# Altium PCB STM32_MINI.PcbDoc
Units mil, origin at the board's own origin, x right, y up, seen from the top; angles counter-clockwise.
Board outline 2519.69 x 1417.32 mil, 2 copper layers (Top Layer, Bottom Layer); 40 components, 49 nets, 199 pads, 89 vias.
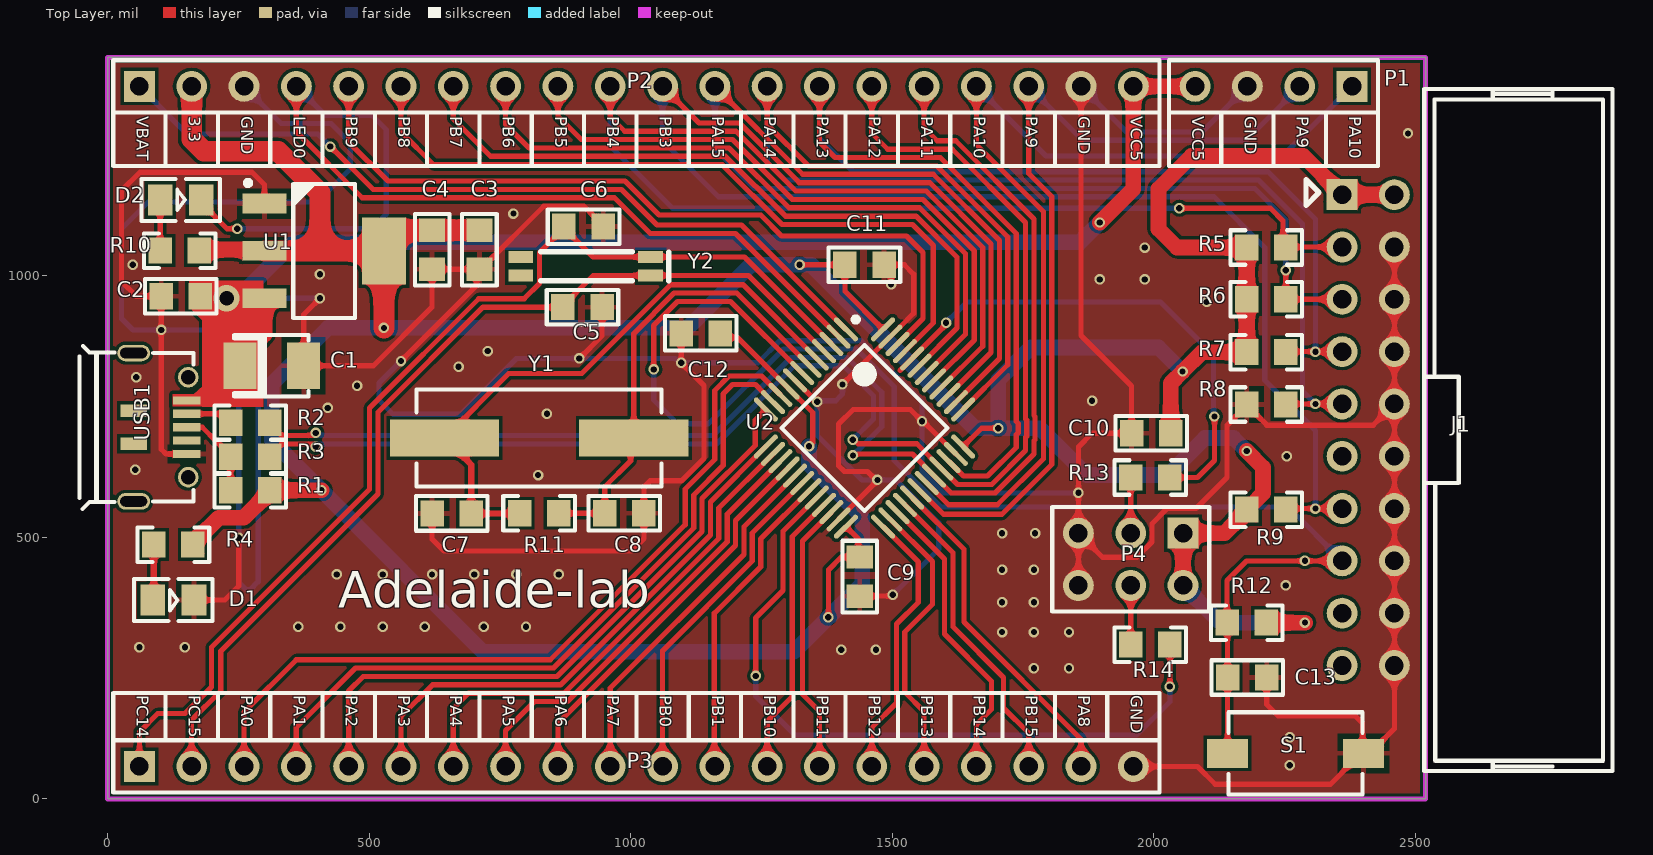
[diagram p0: Top Layer view]
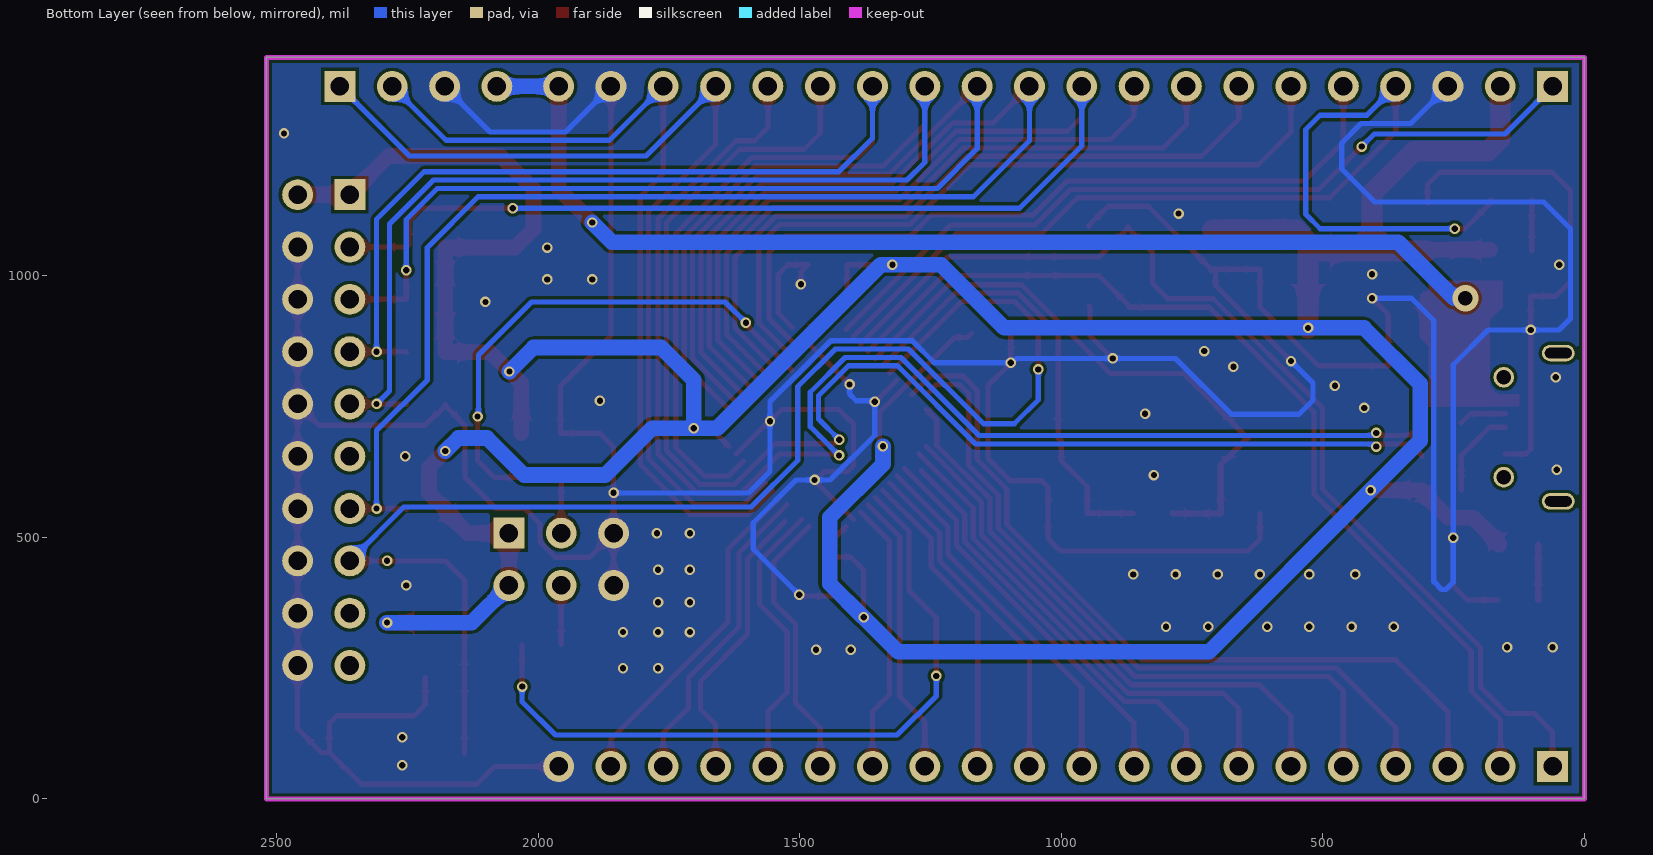
[diagram p1: Bottom Layer view, seen from below]
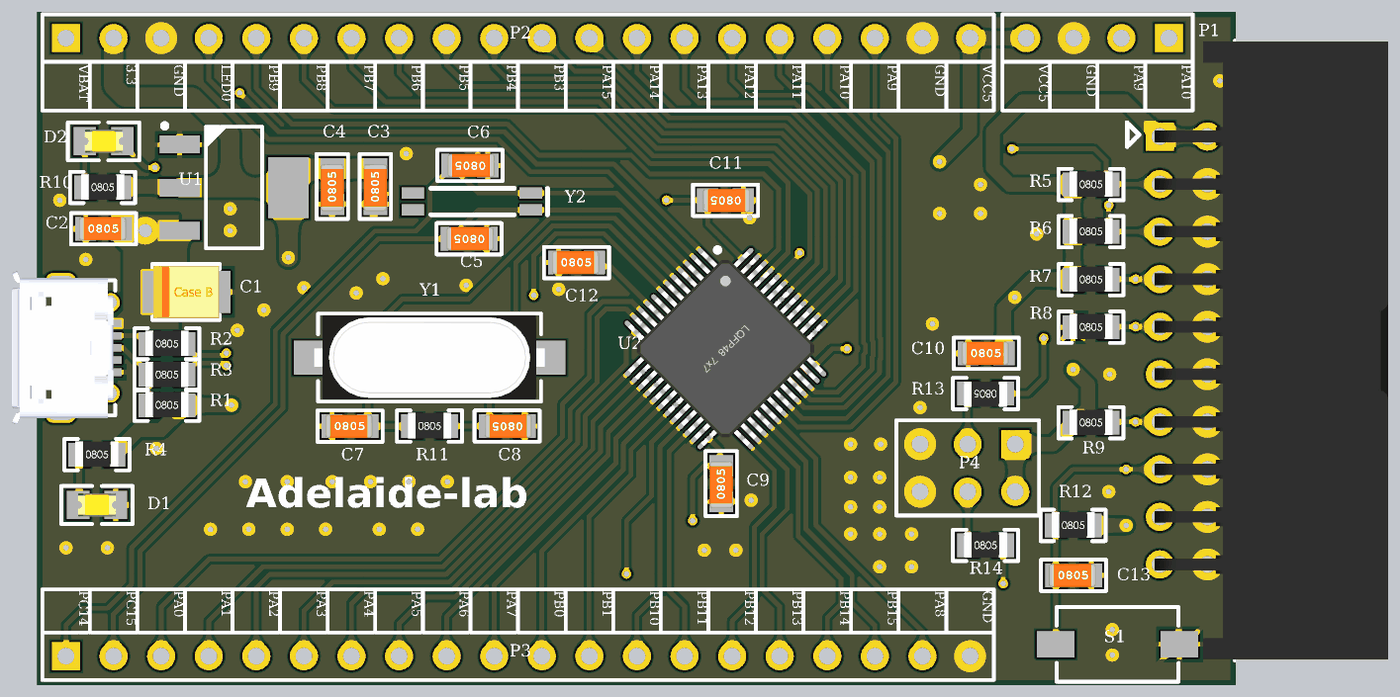
[diagram p2: 3D render of the assembled board from above, using the file's embedded part models]

## Layer stack, top to bottom
Top Solder: solder mask 0.4, Solder Resist, Dk 3.5
Top Layer: signal copper 1.4
Dielectric 1: dielectric 12.6, FR-4, Dk 4.8
Bottom Layer: signal copper 1.4
Bottom Solder: solder mask 0.4, Solder Resist, Dk 3.5

## Board outline
0,0 2519.69,0 2519.69,1417.32 0,1417.32

## Design rules (kind name [scope] priority, off if disabled: settings)
Clearance [All] p1: gap=6 ignorepadtopadclearanceinfootprint=FALSE
DiffPairsRouting [All] p1: maxlimit=15 minlimit=6 mostfreqgap=6 toplayer_minwidth=6 toplayer_maxwidth=15 toplayer_prefwidth=8 bottomlayer_minwidth=6 bottomlayer_maxwidth=15 bottomlayer_prefwidth=8 maxuncoupledlength=500
HoleSize [All] p1: absolutevalues=TRUE maxlimit=1000 minlimit=1 maxpercent=80.000 minpercent=20.000
MinimumSolderMaskSliver [All] p1: minsoldermaskwidth=6
PlaneClearance [All] p1: clearance=6
PolygonConnect [All] p1: thpad.connectstyle=Direct thpad.reliefconductorwidth=10 thpad.reliefentries=4 thpad.polygonreliefangle="90 Angle" thpad.airgapwidth=10 smdpad.connectstyle=Relief smdpad.reliefconductorwidth=10 smdpad.reliefentries=4 smdpad.polygonreliefangle="90 Angle" smdpad.airgapwidth=10 via.connectstyle=Direct via.reliefconductorwidth=10 via.reliefentries=4 via.polygonreliefangle="90 Angle" via.airgapwidth=10
RoutingVias [All] p1: holewidth=12 width=20 viastyle="Through Hole" minholewidth=12 minwidth=20 maxholewidth=12 maxwidth=20
SilkToSilkClearance [All] p1: silktosilkclearance=0
SilkToSolderMaskClearance [IsPad] p1: minsilkscreentomaskgap=0 clearancetoexposedcopper=TRUE
SolderMaskExpansion [All] p1: expansion=4 istentingtop=FALSE
Width Width_POWER [InNetClass('POWER')] p1: maxlimit=50 minlimit=8 preferedwidth=12
Width [All] p2: maxlimit=50 minlimit=6 preferedwidth=8
24 further rules are at their usual default settings.

## Classes and differential pairs
net class POWER: GND VCC3.3 VCC5
differential pair USB: +PA12 -PA11

## Components (designator, comment, footprint, x,y, rotation, side; value= is the part's Value field where it differs from the comment)
C1 "220uF" TAJ-B 314,828 r180 top value=100pF
C2 "104" C0805 140,961 r0 top value=100pF
C3 "106" C0805 711,1049.97 r90 top value=100pF
C4 "104" C0805 620.5,1049.97 r90 top value=100pF
C5 "22pF" C0805 908,940 r180 top value=100pF
C6 "22pF" C0805 910,1094 r180 top value=100pF
C7 "22pF" C0805 657.9,545.66 r0 top value=100pF
C8 "22pF" C0805 988.03,546 r180 top value=100pF
C9 "104" C0805 1438,425 r90 top value=100pF
C10 "104" C0805 1995,699 r0 top value=100pF
C11 "104" C0805 1447,1021 r180 top value=100pF
C12 "104" C0805 1134,889.89 r0 top value=100pF
C13 "104" C0805 2178.48,232 r0 top value=100pF
D1 "LED0" LED0805 126,380 r180 top
D2 "LED0" LED0805 140,1145 r180 top
J1 "JTAG" DC3-20P-W 2410,705 r270 top locked
P1 "Header 4" HDR1X4 2379,1362 r180 top locked
P2 "Header 20" HDR1X20 61,1362 r0 top locked
P3 "Header 20" HDR1X20 61,62 r0 top locked
P4 "Header 3X2" HDR2X3 2056,508 r180 top
R1 "22R" R0805 273,591 r0 top value=1K
R2 "22R" R0805 273,720 r0 top value=1K
R3 "22R" R0805 273,655 r0 top value=1K
R4 "1K" R0805 126,487 r0 top
R5 "10K" R0805 2215,1055 r0 top value=1K
R6 "10K" R0805 2215,956 r0 top value=1K
R7 "10K" R0805 2215,855 r0 top value=1K
R8 "10K" R0805 2215,755 r0 top value=1K
R9 "10K" R0805 2215,554 r0 top value=1K
R10 "1K" R0805 138,1049 r0 top
R11 "1M" R0805 825,547 r0 top value=1K
R12 "10K" R0805 2177.6,338 r0 top value=1K
R13 "10K" R0805 1993.4,613.4 r180 top value=1K
R14 "10K" R0805 1993.4,296 r0 top value=1K
S1 "KEY" DSW-KFC-022S-H2.5 2271,87 r0 top
U1 "AMS1117-3.3" SOT-223 414.17,1047.55 r0 top locked
U2 "STM32F103C8T6" LQFP48_L 1447,709 r315 top
USB1 "USB-5" USB-MicroUSB 151.38,710.5 r90 top locked
Y1 "8MHz" 49SMD 825,690 r0 top
Y2 "32.768KHz" MC146 1038.03,1000.57 r180 top

## Footprints (in the part's own frame and the unit in brackets; to place one, negate y for a bottom-side part, rotate by r counter-clockwise, add the part's x,y. Pads: shape width x height; smd on the part's side, far side on the other; paste and mask are expansions set on the pad)
49SMD [mm]
  rect 5.3x1.8 smd: 1(-4.6,0) 2(4.6,0)
  silkscreen extent -5.95,-2.35 5.95,2.35, body extent -6.15,-2.25 6.15,2.25, height 5.18
C0805 [mm] "Chip Capacitor, Body 2.0x1.3mm, IPC High Density"
  rect 1.14x1.27 smd: 1(-0.95,0) 2(0.95,0)
  silkscreen extent -1.74,-0.84 1.74,0.84, body extent -1.32,-0.62 1.19,0.62, height 0.77
DC3-20P-W [mm]
  rect 1.5x1.5 hole 0.9: 1(-11.43,-1.27)
  round 1.5 hole 0.9: 2(-11.43,1.27) 3(-8.89,-1.27) 4(-8.89,1.27) 5(-6.35,-1.27) 6(-6.35,1.27) 7(-3.81,-1.27) 8(-3.81,1.27) 9(-1.27,-1.27) 10(-1.27,1.27) 11(1.27,-1.27) 12(1.27,1.27) 13(3.81,-1.27) 14(3.81,1.27) 15(6.35,-1.27) 16(6.35,1.27) 17(8.89,-1.27) 18(8.89,1.27) 19(11.43,-1.27) 20(11.43,1.27)
  silkscreen extent -16.56,-3.02 16.56,11.86, body extent -16.51,-1.55 16.51,10.9, height 9.17
DSW-KFC-022S-H2.5 [mm]
  rect 2x1.4 smd: 1(-3.3,0) 2(3.3,0)
  silkscreen extent -3.25,-2 3.25,2, body extent -4.07,-1.8 3.93,1.8, height 2.5
HDR1X4 [mm] "Connector; Header; 4 Position"
  rect 1.5x1.5 hole 0.9: 1(0,0)
  round 1.5 hole 0.9: 2(2.54,0) 3(5.08,0) 4(7.62,0)
  silkscreen extent -1.27,-1.27 8.89,1.27
HDR1X20 [mm] "Connector; Header; 20 Position"
  rect 1.5x1.5 hole 0.9: 1(0,0)
  round 1.5 hole 0.9: 2(2.54,0) 3(5.08,0) 4(7.62,0) 5(10.16,0) 6(12.7,0) 7(15.24,0) 8(17.78,0) 9(20.32,0) 10(22.86,0) 11(25.4,0) 12(27.94,0) 13(30.48,0) 14(33.02,0) 15(35.56,0) 16(38.1,0) 17(40.64,0) 18(43.18,0) 19(45.72,0) 20(48.26,0)
  silkscreen extent -1.27,-1.27 49.53,1.27
HDR2X3 [mm] "Connector; Header; 3x2 Position"
  rect 1.5x1.5 hole 0.9: 1(0,0)
  round 1.5 hole 0.9: 2(0,2.54) 3(2.54,0) 4(2.54,2.54) 5(5.08,0) 6(5.08,2.54)
  silkscreen extent -1.27,-1.27 6.35,3.81
LED0805 [mm]
  rect 1.2x1.5 smd: 1(1,0) 2(-1,0)
  silkscreen extent -1.9,-1.02 1.91,1.02, body extent -1.01,-0.63 1.01,0.62, height 1.1
LQFP48_L [mm] "Thin QFP, 48-Leads, Body 7x7mm, Pitch 0.5mm, IPC High Density"
  oval 1.55x0.25 smd: 1(-4.025,2.75) 2(-4.025,2.25) 3(-4.025,1.75) 4(-4.025,1.25) 5(-4.025,0.75) 6(-4.025,0.25) 7(-4.025,-0.25) 8(-4.025,-0.75) 9(-4.025,-1.25) 10(-4.025,-1.75) 11(-4.025,-2.25) 12(-4.025,-2.75) 25(4.025,-2.75) 26(4.025,-2.25) 27(4.025,-1.75) 28(4.025,-1.25) 29(4.025,-0.75) 30(4.025,-0.25) 31(4.025,0.25) 32(4.025,0.75) 33(4.025,1.25) 34(4.025,1.75) 35(4.025,2.25) 36(4.025,2.75)
  oval 0.25x1.55 smd: 13(-2.75,-4.025) 14(-2.25,-4.025) 15(-1.75,-4.025) 16(-1.25,-4.025) 17(-0.75,-4.025) 18(-0.25,-4.025) 19(0.25,-4.025) 20(0.75,-4.025) 21(1.25,-4.025) 22(1.75,-4.025) 23(2.25,-4.025) 24(2.75,-4.025) 37(2.75,4.025) 38(2.25,4.025) 39(1.75,4.025) 40(1.25,4.025) 41(0.75,4.025) 42(0.25,4.025) 43(-0.25,4.025) 44(-0.75,4.025) 45(-1.25,4.025) 46(-1.75,4.025) 47(-2.25,4.025) 48(-2.75,4.025)
  silkscreen extent -4.15,-2.85 2.85,3.55, body extent -4.5,-4.5 4.5,4.5, height 1.45
MC146 [mm]
  rect 1.2x0.6 smd: 1(0,0) 2(0,-0.9) ""(6.3,-0.9) ""(6.3,0)
  silkscreen extent -0.89,-1.15 5.33,0.25
R0805 [mm] "Chip Resistor, Body 1.6x0.8mm, IPC High Density"
  rect 1.14x1.27 smd: 1(-0.95,-0.025) 2(0.95,-0.025)
  silkscreen extent -1.74,-0.86 1.74,0.81, body extent -1.15,-0.67 1.15,0.68, height 0.76
SOT-223 [mm]
  rect 2.15x0.95 smd: 1(-2.9,2.3) 2(-2.9,0) 3(-2.9,-2.3)
  rect 2.15x3.25 smd: 2(2.9,0)
  silkscreen extent -3.82,-3.25 1.5,3.42
TAJ-B [mm] "钽电容"
  rect 1.6x2.25 smd: 1(1.55,0) 2(-1.55,0)
  silkscreen extent -1.78,-1.5 1.82,1.5, body extent -1.75,-1.4 1.75,1.4, height 1.9
USB-MicroUSB [mm] "MicroUSB"
  rect 0.4x1.35 smd: 1(1.3,0) 2(0.65,0) 3(0,0) 4(-0.65,0) 5(-1.3,0)
  rect 0.6x1.3 smd: 6(-0.8,2.575) 7(0.8,2.575)
  oval 0.8x1.6 hole 0.5 slot 1.3 at 90 deg: ""(-3.6,2.575) ""(3.6,2.575)
  round 1 hole 0.7: ""(-2.425,-0.075) ""(2.425,-0.075)
  silkscreen extent -3.96,-0.33 3.95,5.21, body extent -4.1,-0.24 4.1,5.19, height 2.68

## Part data
C1: library part "Cap Pol2", "Cap Pol2", LatestRevisionDate=17-Jul-2002, LatestRevisionNote="Re-released for DXP Platform.", PackageDescription="Polarized Capacitor; 2 Leads", PackageReference=POLAR0.8, Published=8-Jun-2000, Publisher="Altium Limited"
C2 C3 C4 C5 C6 C7 C8 C9 C10 C11 C12 C13: library part C, "Capacitor", LatestRevisionDate=17-Jul-2002, LatestRevisionNote="Re-released for DXP Platform.", PackageDescription="Radial Cap, Thru-Hole; 2 Leads; 0.3 in Pin Spacing", PackageReference=RAD-0.3, Published=8-Jun-2000, Publisher="Altium Limited"
D1 D2: "Typical INFRARED GaAs LED", LatestRevisionDate=08-Jul-2005, LatestRevisionNote="Mech Layer 1 removed.", PackageDescription="LED; 2 Leads", PackageReference=LED-0, Published=8-Jun-2000, Publisher="Altium Limited"
P1: "Header, 4-Pin", LatestRevisionDate=17-Jul-2002, LatestRevisionNote="Re-released for DXP Platform.", Publisher="Altium Limited"
P2 P3: "Header, 20-Pin", LatestRevisionDate=17-Jul-2002, LatestRevisionNote="Re-released for DXP Platform.", Publisher="Altium Limited"
P4: "Header, 3-Pin, Dual row", LatestRevisionDate=17-Jul-2002, LatestRevisionNote="Re-released for DXP Platform.", Publisher="Altium Limited"
R1 R2 R3 R4 R5 R6 R7 R8 R9 R10 R11 R12 R13 R14: library part R, "Resistor", LatestRevisionDate=17-Jul-2002, LatestRevisionNote="Re-released for DXP Platform.", PackageDescription="Axial Device, Thru-Hole; 2 Leads; 0.3 in Pin Spacing", PackageReference=AXIAL-0.3, Published=8-Jun-2000, Publisher="Altium Limited"
S1: "普通轻触按钮"
U1: library part AMS1117
Y1 Y2: library part XTAL, "Crystal Oscillator", LatestRevisionDate=17-Jul-2002, LatestRevisionNote="Re-released for DXP Platform.", PackageDescription="Crystal, Thru-Hole; 2 Leads; Body 3.1 x 8.2 mm (Dia.xH)", PackageReference=R38, Published=8-Jun-2000, Publisher="Altium Limited"

## Via types
v1: diameter 20, hole 12, Top Layer to Bottom Layer, 88 vias
v2: diameter 50, hole 28, Top Layer to Bottom Layer, 1 vias

## Nets (pads, with @x,y where several pads share a name; then routed paths per layer and width w, separated by ;. In a path a pad name is that pad's centre, name@x,y a point inside that pad or via, vN(x,y) a via of type N, cw(c..) or ccw(c..) an arc to the next point about the centre after c; other vN are vias at no path point)
BOOT0: R13.1 U2.44 | length 998.5
  Top Layer w10: 1515.07,818.83 U2.44 1601.09,904.84 1601.09,908.37 v1(1603,910.28) ; R13.1 2083.4,614.4 2116,647 v1(2116,731)
  Bottom Layer w10: v1(1603,910.28) 1642.72,950 2012.74,950 2114,848.74 2114,740.07 2114.09,739.98 2114.09,732.91 v1(2116,731)
BOOT1: R14.2 U2.20 | length 1386
  Top Layer w10: v1(1239,235) 1239,346 1291.39,398.39 1291.39,511.64 U2.20 ; v1(2030.8,214.8) R14.2
  Bottom Layer w10: v1(1239,235) 1239,197 1314,122 1967,122 2030.8,185.8 v1(2030.8,214.8)
GND: C1.2 C2.1 C3.1 C4.1 C5.1 C6.1 C7.1 C8.1 C9.1 C10.1 C11.1 C12.1 C13.2 D1.2 J1.4 J1.6 J1.8 J1.10 J1.12 J1.14 J1.16 J1.18 J1.20 P1.3 P2.3 P2.19 P3.20 P4.5 P4.6 R8.1 S1.2 U1.1 U2.8 U2.23 U2.35 U2.47 USB1.5 | length 13101.6
  Top Layer w10: USB1.5 111.69,659.32 102.6,668.41 C2.1 55,961 27,989 27,1163 62,1198 276,1198 300,1174 U1.1 ; D1.2 224,380 251,407 v1(251,499) ; v1(406,957) 375.02,926.02 C1.2 508.5,828 620.5,940 C4.1 C3.1 C3.1@714,1009.57 ; v1(561,837) 705.44,981.44 C3.1@705.44,1009.57 ; C7.1 620.5,496.5 643,474 1001.67,474 1025.43,497.76 C8.1 1025.43,596.63 1036.8,608 1097,608 1140,651 1140,790.27 v1(1096.6,833.67) C12.1 ; C3.1@714,1013.01 833.99,1133 910.96,1133 947.4,1096.56 C6.1 ; v1(902,842) 945.4,885.4 C5.1 C5.1@947.4,942 ; U2.8 1314.18,800.17 1355.01,759.34 v1(1356.76,759.34) ; U2.23 1397.59,534.42 1471.72,608.56 1470.18,608.56 1452.96,625.78 1408.56,625.78 1397.59,636.75 1397.59,716.59 1425.49,744.49 1534.51,744.49 v1(1557,722) 1559.16,722 1621.58,659.59 U2.35 ; v1(1404.85,792.23) 1496.3,883.69 U2.47 ; C9.1 1498.6,387.6 v1(1501,390) ; v1(1497.87,983.97) 1497.87,1007.53 C11.1 1523,1021 1541,1003 1541,928.27 U2.47@1514.45,901.73 ; P4.6 P4.5 ; P2.19 1861,886 1957.6,789.4 C10.1 1882,699 1856,673 v1(1856,584.99) P4.5 ; P3.20 2083.59,62 2117.59,28 2338.08,28 S1.2@2399,88.92 ; R8.1 R8.1@2177.6,751.44 ; C13.2 2215.88,180.56 2237.44,159 2385,159 2399,145 S1.2@2399,88.92 ; J1.4 J1.6 J1.8 J1.10 ; P4.5 1902,462 1967.31,462 1996.53,491.21 1996.53,526.06 2025.47,555 2080.8,555 2140.2,614.4 2140.2,714.04 R8.1@2177.6,751.44 ; R8.1@2177.6,751.44 2195.04,734 2196.62,734 2216.14,714.47 2419.47,714.47 J1.10 ; S1.2@2399,88.92 2414.65,88.92 2460,134.27 J1.20 J1.18 J1.16 J1.14 J1.12 J1.10
  Bottom Layer w10: P2.3 332,1291 427,1291 464,1254 464,1204 401,1141 78,1141 27,1090 27,918 48.6,896.4 v1(102.6,896.4) 184.6,896.4 251,830 v1(251,499) 251,414.36 264.89,400.46 273.18,400.46 288,415.28 288,914 331,957 v1(406,957) ; v1(561,837) 519,795 519,762 545.86,735.14 674.65,735.14 781.5,842 v1(902,842) 1085.56,842 1093.89,833.67 v1(1096.6,833.67) 1243.04,833.67 1285.37,876 1440.34,876 1557,759.34 v1(1557,722) 1557,626 1598.01,584.99 v1(1856,584.99) ; v1(1404.85,792.23) 1404.85,773.85 1392,761 1358.41,761 v1(1356.76,759.34) 1356.76,694.99 1442.02,609.72 v1(1471.72,609.72) 1507.28,609.72 1589,528 1589,478 v1(1501,390) ; P2.19 1948,1275 2092,1275 P1.3
  other v1: 2260,64.44 2260,118 1771,250 1838,250 1402.56,285 1469,285 61,290 148,290 1710,319 1771,319 1838,319 364.67,329 445.3,329 525.94,329 606.57,329 719.36,329 800,329 1710,376.01 1771,376.01 2252.4,408 438,429 525.94,429 620.5,429 701.13,429 781.77,429 862.4,429 1710,438 1771,438 1710,508 1773.04,508 823,619 53,629 2254.4,655 840,736 421,747.3 1882,761 477,790 55,805.97 671,826 727,856 2101,950 1896.86,993 1983,993 406,1003 48,1021 1983,1054 776,1119 2486,1272
LED0: D2.2 P2.4 U2.2 | length 2044.5
  Top Layer w10: D2.2 179.37,1139.09 228.46,1090 v1(248,1090) ; P2.4 361,1275 487,1149 969.37,1149 1037.37,1081 1200.27,1081 U2.2
  Bottom Layer w10: v1(248,1090) 505,1090 533,1118 533,1279 505,1307 416,1307 P2.4
NetC7_2: C7.2 R11.1 U2.5 Y1.1 | length 1149.8
  Top Layer w10: Y1.1 766.9,813 906.59,813 1076.59,983 1214.76,983 U2.5
  Top Layer w12: Y1.1 695.3,638.6 C7.2 787.26,545.66 R11.1
NetC8_2: C8.2 R11.2 U2.6 Y1.2 | length 880.4
  Top Layer w10: R11.2 C8.2 950.63,596.63 1000,646 1000,683.9 Y1.2 1006.1,889.89 1083.22,967 1202.92,967 U2.6
NetD1_1: D1.1 R4.1 | length 106
  Top Layer w12: D1.1@88.6,380 R4.1
NetD2_1: D2.1 R10.1 | length 97
  Top Layer w10: R10.1 D2.1
NetP4_3: P4.3 R13.2 | length 106.4
  Top Layer w10: P4.3 R13.2
NetP4_4: P4.4 R14.1 | length 113
  Top Layer w10: R14.1 P4.4
NetR1_1: R1.1 R3.1 USB1.3 | length 173.1
  Top Layer w10: USB1.3 181.11,710.5 208.6,683 209.16,683 218.16,674 235.6,656.56 R1.1
NetR2_1: R2.1 USB1.2 | length 91.3
  Top Layer w10: USB1.2 218.51,736.09 R2.1
NRST: C13.1 J1.15 R12.1 S1.1 U2.7 | length 2716.8
  Top Layer w10: v1(1044,821) 1044,905.16 1089.84,951 1191.08,951 U2.7 ; S1.1 C13.1 2141.08,336.12 R12.1 2140.2,417.6 2177.6,455 v1(2289,455) J1.15
  Bottom Layer w10: v1(1044,821) 1044,763 1090,717 1149,717 1292,860 1432.04,860 1504,788.04 1504,647 1593,558 2257,558 J1.15 ; v1@2287,457 2287,455 v1(2289,455)
PA0: P3.3 U2.10 | length 1527.3
  Top Layer w10: P3.3 261,166 361,266 846.24,266 1104.51,524.27 1104.51,592.51 1160.89,648.89 1160.89,780.77 1188.35,808.23 1250.33,808.23 U2.10
PA1: P3.4 U2.11 | length 1363.4
  Top Layer w10: P3.4 361,137 474,250 852.86,250 1120.51,517.64 1120.51,580.87 1176.89,637.25 1176.89,774.14 1194.98,792.23 1238.49,792.23 U2.11@1254.27,776.45
PA2: P3.5 U2.12 | length 1229.8
  Top Layer w10: P3.5 461,206 489,234 859.49,234 1136.51,511.01 1136.51,574.25 1238.4,676.14 1238.4,724.51 U2.12
PA3: P3.6 U2.13 | length 1044
  Top Layer w10: P3.6 561,158 621,218 866.12,218 1152.51,504.39 1152.51,567.62 U2.13
PA4: P3.7 U2.14 | length 957.8
  Top Layer w10: P3.7 661,173 690,202 872.75,202 1168.51,497.76 1168.51,555.78 U2.14
PA5: P3.8 U2.15 | length 812.8
  Top Layer w10: P3.8 761,131 816,186 879.37,186 1184.51,491.13 1184.51,543.94 U2.15@1268.19,627.63
PA6: P3.9 U2.16 | length 751.6
  Top Layer w10: P3.9 861,145 1200.51,484.51 1200.51,532.1 U2.16
PA7: P3.10 U2.17 | length 702.1
  Top Layer w10: P3.10 961,212 1216.51,467.51 1216.51,520.26 U2.17
PA8: P3.19 U2.29 | length 647.8
  Top Layer w10: U2.29 1637,477.24 1637,338 1861,114 P3.19
PA9: P1.2 P2.18 U2.30 | length 1655.9
  Top Layer w10: U2.30 1598.08,544 1710,544 1805.04,639.04 1805.04,1151.71 1761,1195.75 P2.18
  Bottom Layer w10: P2.18 1864,1259 2176,1259 P1.2
PA10: P1.1 P2.17 U2.31 | length 1869.7
  Top Layer w10: U2.31 1607.77,562.15 1700.85,562.15 1789.04,650.34 1789.04,1122.5 1661,1250.54 P2.17
  Bottom Layer w10: P2.17 1794,1229 2246,1229 P1.1
PA11: P2.16 R2.2 U2.32 | length 2639.4
  Top Layer w10: R2.2 310.4,716.44 332.34,694.5 390.29,694.5 395.29,699.5 v1(398,699.5) ; v1(1424.97,656.48) 1426.88,658.39 1433.95,658.39 1434.66,659.11 1538.65,659.11 U2.32 1612.76,584.99 1696.84,584.99 1771,659.15 1771,684.67 1773.04,686.71 1773.04,730.61 1771,732.65 1771,1108.49 1621.49,1258 1586.25,1258 1561,1283.25 P2.16
  Bottom Layer w10: v1(398,699.5) 400.71,699.5 405.71,694.5 1157.29,694.5 1306.79,844 1413.4,844 1480.04,777.35 1480.04,711.56 1462.86,694.38 v1(1424.97,656.48)
PA12: P2.15 R3.2 U2.33 | length 2640.3
  Top Layer w10: R3.2 310.4,656.56 332.34,678.5 390.29,678.5 395.29,673.5 v1(398,673.5) ; v1(1424.57,686.57) 1426.88,686.57 1434.66,678.79 1546.81,678.79 U2.33 1624.6,601 1690.22,601 1755,665.78 1755,691.3 1757.04,693.34 1757.04,723.99 1755,726.02 1755,1101.86 1614.86,1242 1491.39,1242 1461,1272.39 P2.15
  Bottom Layer w10: v1(398,673.5) 400.71,673.5 405.71,678.5 1163.92,678.5 1313.42,828 1406.77,828 1464.04,770.72 1464.04,726.04 v1(1424.57,686.57)
PA13: J1.7 P2.14 R7.2 U2.34 | length 2602.8
  Top Layer w10: P2.14 1361,1255.99 1390.99,1226 1591.75,1226 1737,1080.75 1737,721.4 1741.04,717.36 1741.04,699.96 1737,695.93 1737,672 1682,617 1636.55,617 1607.88,645.67 U2.34 ; R7.2 2253.4,855 v1(2309,855) J1.7
  Bottom Layer w10: P2.14 1361,1263 1425,1199 2218,1199 2309,1108 v1(2309,855)
PA14: J1.9 P2.13 R8.2 U2.37 | length 2666
  Top Layer w10: P2.13 1261,1289.39 1340.39,1210 1585.12,1210 1721,1074.12 1721,829.89 U2.37 ; R8.2 2253.4,755 v1(2309,755) J1.9
  Bottom Layer w10: P2.13 1261,1217 1295,1183 2200,1183 2284.14,1098.86 2284.14,779.86 v1(2309,755)
PA15: J1.5 P2.12 R6.2 U2.38 | length 2536.3
  Top Layer w10: P2.12 1329,1194 1578.49,1194 1705,1067.49 1705,841.73 U2.38 ; v1(2252.4,1010.66) R6.2 J1.5
  Bottom Layer w10: P2.12 1161,1243 1237,1167 2193,1167 2252.4,1107.6 v1(2252.4,1010.66)
PB0: P3.11 U2.18 | length 652.5
  Top Layer w10: P3.11 1061,283.01 1232.51,454.52 1232.51,508.42 U2.18
PB1: P3.12 U2.19 | length 603.8
  Top Layer w10: P3.12 1160,63 1160,355 1248.51,443.51 1248.51,496.59 U2.19
PB3: J1.13 P2.11 R9.2 U2.39 | length 3062
  Top Layer w10: P2.11 1130.73,1292.27 1208.11,1292.27 1322.37,1178 1571.86,1178 1689,1060.86 1689,853.56 U2.39 ; R9.2 2254.4,555 v1(2309,555) J1.13
  Bottom Layer w10: P2.11 1061,1258 1168,1151 2115,1151 2212,1054 2212,801 2309,704 v1(2309,555)
PB4: J1.3 P2.10 R5.2 U2.40 | length 2794.7
  Top Layer w10: P2.10 961,1304 988.73,1276.27 1201.48,1276.27 1315.75,1162 1565.24,1162 1673,1054.24 1673,865.4 U2.40 ; v1(2048.84,1129) 2223,1129 2247,1105 2247,1059.4 R5.2 2253.4,1055 J1.3
  Bottom Layer w10: P2.10 961,1248 1080,1129 v1(2048.84,1129)
PB5: P2.9 U2.41 | length 1239
  Top Layer w10: P2.9 861,1305 905.73,1260.27 1194.85,1260.27 1309.12,1146 1558.61,1146 1657,1047.61 1657,877.24 U2.41
PB6: P2.8 U2.42 | length 1312.9
  Top Layer w10: P2.8 761,1289 805.73,1244.27 1188.22,1244.27 1302.49,1130 1551.98,1130 1640,1041.98 1640,888.08 U2.42
PB7: P2.7 U2.43 | length 1371.7
  Top Layer w10: P2.7 661,1300 732.73,1228.27 1181.6,1228.27 1295.86,1114 1545.35,1114 1624,1035.35 1624,899.92 U2.43
PB8: P2.6 U2.45 | length 1419.3
  Top Layer w10: P2.6 561,1275 623.73,1212.27 1174.97,1212.27 1289.24,1098 1538.73,1098 1578.69,1058.04 1578.69,910.28 U2.45
PB9: P2.5 U2.46 | length 1486.4
  Top Layer w10: P2.5 461,1256 536,1181 989,1181 1054,1116 1248.61,1116 1288.61,1076 1527.37,1076 1559,1044.37 1559,918.44 U2.46
PB10: P3.13 U2.21 | length 545.2
  Top Layer w10: P3.13 1261,148 1309,196 1309,501.4 U2.21
PB11: P3.14 U2.22 | length 522.5
  Top Layer w10: P3.14 1361,167.52 1328.51,200.01 1328.51,493.08 U2.22
PB12: P3.15 U2.25 | length 523.2
  Top Layer w10: P3.15 1461,136 1508,183 1508,334 1550.01,376.01 1550.01,452.88 U2.25
PB13: P3.16 U2.26 | length 543
  Top Layer w10: U2.26 1577,453.73 1577,372 1524,319 1524,204 1561,167 P3.16
PB14: P3.17 U2.27 | length 547.2
  Top Layer w10: U2.27@1528.37,530.19 1600,458.56 1600,315 1690,225 1690,171.26 1661,142.26 P3.17
PB15: P3.18 U2.28 | length 598.2
  Top Layer w10: U2.28 1616,470.4 1616,329 1713,232 1713,174 1761,126 P3.18
PC14: C6.2 P3.1 U2.3 Y2.2 | length 2052.3
  Top Layer w10: P3.1 61,128 96,163 148,163 199,214 199,290 501,592 501,747.3 709.7,956 796.42,956 825.79,985.37 825.79,1044.63 C6.2@872.6,1091.44 ; C6.2 C6.2@872.6,1091.44 ; U2.3 1217.44,1036 Y2.2 928.04,1036 C6.2@872.6,1091.44
PC15: C5.2 P3.2 U2.4 Y2.1 | length 1847.4
  Top Layer w10: P3.2 160.5,62.5 160.5,150.5 216.68,206.68 216.68,282.68 517,583 517,739 718,940 C5.2 870.6,942.56 928.61,1000.57 Y2.1 1225.03,1000.57 U2.4
VBAT: P2.1 U2.1 | length 1542.9
  Top Layer w10: v1(426,1247) 508,1165 982.37,1165 1050.37,1097 1212.11,1097 U2.1
  Bottom Layer w10: P2.1 152,1271 402,1271 v1(426,1247)
VCC3.3: C3.2 C4.2 C9.2 C10.2 C11.2 C12.2 J1.1 J1.2 P2.2 P4.1 P4.2 R1.2 R4.2 R5.1 R6.1 R7.1 R9.1 R10.2 R12.2 U1.2 U2.9 U2.24 U2.36 U2.48 | length 8693.9
  Top Layer w10: C12.2 1179.29,882 1204.4,882 U2.9 1348,738.4 1348,680.8 v1(1341.09,673.89) ; v1(1323,1021) C11.2 1409.6,970.5 U2.48 ; v1(1378,347) 1378,437.84 1402.56,462.4 C9.2 1435.31,465.09 1435.31,496.59 U2.24 ; U2.36 1670.76,708.66 v1(1702.66,708.66)
  Top Layer w30: R4.2 163.4,488.56 212.42,537.57 260.53,537.57 R1.2@311.68,588.72 ; R10.2@180.05,1050 U1.2@292,1050 ; R1.2 v1(409,590) ; C10.2 2032.4,794.4 v1(2055,817) 2092,854 R7.1 R6.1 R5.1 2044.51,1054 2009,1089.51 2009,1166 2072,1229 2286,1229 J1.1 J1.2 ; P4.2 P4.1 2135.16,508 R9.1@2178.88,551.72 ; R9.1 2177.6,555.56 2185.04,563 2187.6,563 2208.96,584.36 2208.96,633.64 v1(2177.6,665) ; R12.2 v1(2289,337)
  Top Layer w40: P2.2 161,1261.43 184.43,1238 326,1238 406,1158 406,1047.55 ; U1.2@300,1047.55 406,1047.55 ; v1(528.35,900.35) 528.35,1047.55 406,1047.55 ; U1.2@528.35,1065.05 550.67,1087.37 C4.2 C3.2
  Bottom Layer w30: v1(1341.09,673.89) 1341.09,639.91 1443,538 1443,411.51 1378.49,347 v1(1378,347) 1312,281 718,281 v1(409,590) 314,685 314,793 421.35,900.35 v1(528.35,900.35) 1109.35,900.35 1230,1021 v1(1323,1021) 1345.4,1021 1657.73,708.66 v1(1702.66,708.66) ; v1(2055,817) 2009,863 1765,863 1702.66,800.66 v1(1702.66,708.66) ; P4.2 2127,337 v1(2289,337) ; v1(2177.6,665) 2152.6,690 2098,690 2027,619 1872,619 1782.34,708.66 v1(1702.66,708.66)
VCC5: C1.1 C2.2 P1.4 P2.20 U1.3 USB1.1 | length 2669.6
  Top Layer w12: USB1.1 160.08,761.68 USB1.1@170.08,761.68 ; USB1.1@166.07,765.68 198,797.61 198,820.97 205.03,828 C1.1
  Top Layer w30: C2.2 181.4,957 v2(227.78,957) U1.3 300,887.82 252.98,840.8 C1.1 ; v1(1896.86,1101.86) 1961,1166 P2.20 P1.4
  Bottom Layer w30: v2(227.78,957) 249,957 356,1064 1859,1064 v1(1896.86,1101.86) ; P2.20 P1.4
pads on no net: J1.11 J1.17 J1.19 USB1. USB1.4 USB1.6 USB1.7 Y2.

## Polygon pours and split planes (outlines as drawn)
GND on Bottom Layer "GND_L02_P000" (solid, remove dead copper, pour order 0): 0,0 2519.69,0 2519.69,1417.32 0,1417.32
GND on Top Layer "GND_L01_P001" (solid, remove dead copper, pour order 1): 0,0 2519.69,0 2519.69,1417.32 0,1417.32

## Keep-outs
Keep-Out Layer:
  the board outline again, w10

## Other copper
Top Layer:
  rectangle net VCC5: 124.09,750 205.03,773.61
  region net VCC5: 156,940 181.4,914.6 181.4,750 298,750 298,820.97 298,990.36 156,990.36
  region: 174,922

## Silkscreen, mask and mechanical layers (free items; w line width, h text height)
Top Overlay:
  lines w7.87: 11,112 11,202.55 2011,202.55 2011,112 ; 11,1312 11,1210 2011,1210 2011,1312 ; 111,112 111,202.55 ; 111,1211 111,1312 ; 211,112 211,202.55 ; 211,1213 211,1312 ; 311,112 311,202.55 ; 311,1213 311,1312 ; 411,112 411,202.55 ; 411,1213 411,1312 ; 511,112 511,202.55 ; 511,1210 511,1312 ; 611,112 611,202.55 ; 611,1215 611,1312 ; 711,112 711,202.55 ; 711,1215 711,1312 ; 811,112 811,202.55 ; 811,1212 811,1312 ; 911,112 911,202.55 ; 911,1210 911,1312 ; 1011,112 1011,202.55 ; 1011,1210 1011,1312 ; 1111,112 1111,202.55 ; 1111,1212 1111,1312 ; 1211,112 1211,202.55 ; 1211,1212 1211,1312 ; 1311,112 1311,202.55 ; 1311,1212 1311,1312 ; 1411,112 1411,202.55 ; 1411,1212 1411,1312 ; 1511,112 1511,202.55 ; 1511,1212 1511,1312 ; 1611,112 1611,202.55 ; 1611,1212 1611,1312 ; 1711,112 1711,202.55 ; 1711,1214 1711,1312 ; 1811,112 1811,202.55 ; 1811,1210 1811,1312 ; 1911,112 1911,202.55 ; 1911,1210 1911,1312 ; 2029,1312 2029,1210 2429,1210 2429,1312 ; 2129,1213 2129,1312 ; 2229,1213 2229,1312 ; 2329,1213 2329,1312
  text "VBAT" at 48,1304.65 h39.37 r270
  text "3.3" at 148,1304.65 h39.37 r270
  text "GND" at 248,1304.65 h39.37 r270
  text "LED0" at 348,1304.65 h39.37 r270
  text "PB9" at 448,1304.65 h39.37 r270
  text "PB8" at 548,1304.65 h39.37 r270
  text "PB7" at 648,1304.65 h39.37 r270
  text "PB6" at 748,1304.65 h39.37 r270
  text "PB5" at 848,1304.65 h39.37 r270
  text "PB4" at 948,1304.65 h39.37 r270
  text "PB3" at 1048,1304.65 h39.37 r270
  text "PA15" at 1148,1304.65 h39.37 r270
  text "PA14" at 1248,1304.65 h39.37 r270
  text "PA13" at 1348,1304.65 h39.37 r270
  text "PA12" at 1448,1304.65 h39.37 r270
  text "PA11" at 1548,1304.65 h39.37 r270
  text "PA10" at 1648,1304.65 h39.37 r270
  text "PA9" at 1748,1304.65 h39.37 r270
  text "GND" at 1848,1304.65 h39.37 r270
  text "VCC5" at 1948,1304.65 h39.37 r270
  text "VCC5" at 2066,1304.65 h39.37 r270
  text "GND" at 2166,1304.65 h39.37 r270
  text "PA9" at 2266,1304.65 h39.37 r270
  text "PA10" at 2366,1304.65 h39.37 r270
  text "Adelaide-lab" at 441,342 h120
  text "PC14" at 48,198 h39.37 r270
  text "PC15" at 148,198 h39.37 r270
  text "PA0" at 248,198 h39.37 r270
  text "PA1" at 348,198 h39.37 r270
  text "PA2" at 448,198 h39.37 r270
  text "PA3" at 548,198 h39.37 r270
  text "PA4" at 648,198 h39.37 r270
  text "PA5" at 748,198 h39.37 r270
  text "PA6" at 848,198 h39.37 r270
  text "PA7" at 948,198 h39.37 r270
  text "PB0" at 1048,198 h39.37 r270
  text "PB1" at 1148,198 h39.37 r270
  text "PB10" at 1248,198 h39.37 r270
  text "PB11" at 1348,198 h39.37 r270
  text "PB12" at 1448,198 h39.37 r270
  text "PB13" at 1548,198 h39.37 r270
  text "PB14" at 1648,198 h39.37 r270
  text "PB15" at 1748,198 h39.37 r270
  text "PA8" at 1848,198 h39.37 r270
  text "GND" at 1948,198 h39.37 r270
Mechanical 1:
  the board outline again, w10

## Dimensions
61,62 to 61,1362 on Mechanical 15
0,1417.32 to 0,0 on Mechanical 15
0,1417.32 to 2519.69,1417.32 on Mechanical 15